# Altium PCB eRTM15_Baikal.PcbDoc (part 5 of 7)
Units mm, origin at the board's own origin, x right, y up, seen from the top; angles counter-clockwise.
Board outline 161.5 x 148.5 mm, 8 copper layers (Top Layer, RF_Layer_1, GND_PWR_Plane, RF_Layer_3, RF_Layer_4, GND_PWR_Plane_2, RF_Layer_6, Bottom Layer), stack 1.462 mm thick; 749 components, 528 nets, 2540 pads, 2420 vias.
Unrouted connection lines stored in the file: 24.
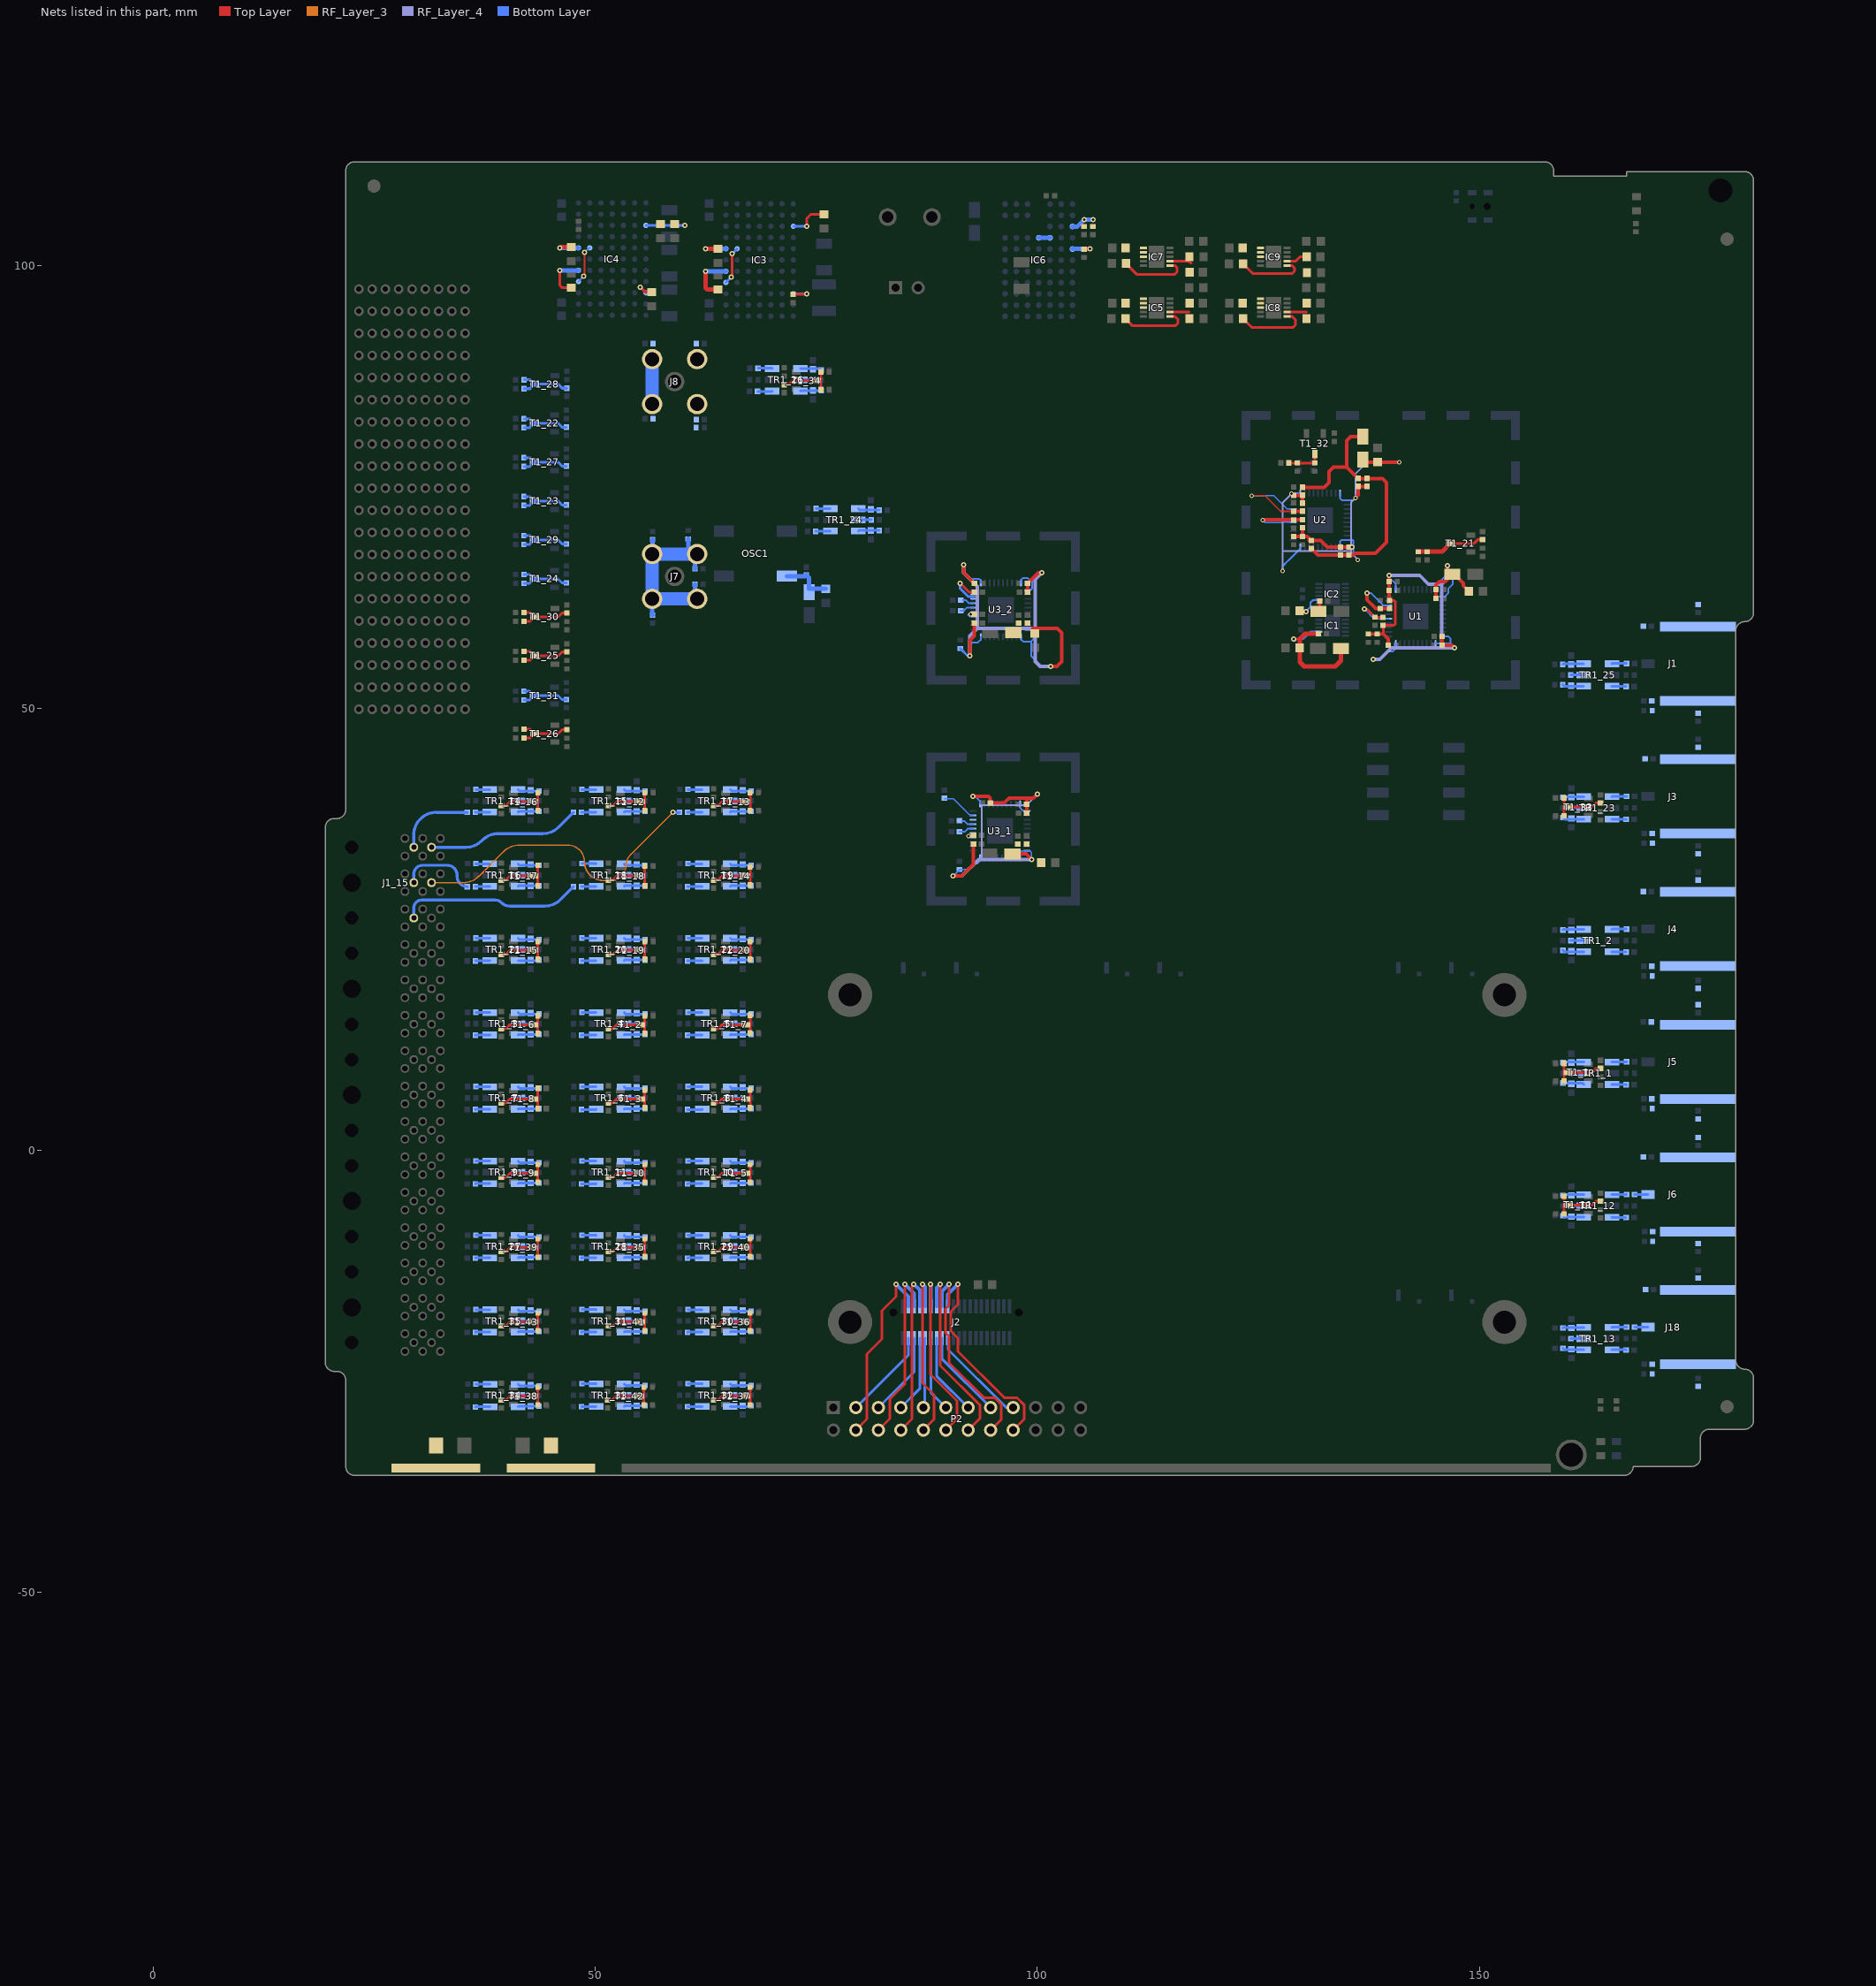
[diagram p11: the nets of this part, all layers, seen from the top]

## Via types
v1: diameter 0.6, hole 0.3, Top Layer to Bottom Layer, 2289 vias
v2: diameter 0.6, hole 0.3, Top Layer to Bottom Layer, tented both sides, 49 vias
v3: diameter 0.5, hole 0.2, Top Layer to Bottom Layer, 36 vias
v4: diameter 0.5, hole 0.3, Top Layer to Bottom Layer, 34 vias
v5: diameter 0.5, hole 0.3, Top Layer to Bottom Layer, tented both sides, 12 vias

## Nets (pads, with @x,y where several pads share a name; then routed paths per layer and width w, separated by ;. In a path a pad name is that pad's centre, name@x,y a point inside that pad or via, vN(x,y) a via of type N, cw(c..) or ccw(c..) an arc to the next point about the centre after c; other vN are vias at no path point) (continued)
LO8: C17_18.2 J1_15.A/1C | length 20.7
  Bottom Layer w0.33: J1_15.A/1C@29.5,26.25 29.5,27.385 cw(c30.4,27.385) 30.4,28.285 38.712,28.285 cw(c38.712,27.312) 39.4,28 ccw(c40.366,28.966) 40.366,27.6 44.303,27.6 ccw(c44.303,30.14) 46.099,28.344 C17_18.2@47.555,29.8
LO9: C17_17.2 J1_15.B/1B | length 35.7
  RF_Layer_3 w0.17: J1_15.B/1B@31.5,30.25 35.098,30.25 ccw(c35.098,32.79) 36.894,30.994 39.656,33.756 cw(c41.452,31.96) 41.452,34.5 46.9,34.5 cw(c46.9,32.6) 48.8,32.6 ccw(c50.9,32.6) 50.9,30.5 51.9,30.5 ccw(c51.9,32.1) 53.5,32.1 cw(c55.431,32.1) 54.066,33.466 v2(58.8,38.2)
  Bottom Layer w0.33: v2(58.8,38.2) C17_17.2@59.555,38.2
LO10: C17_16.2 J1_15.A/1B | length 9
  Bottom Layer w0.33: J1_15.A/1B@29.5,30.25 29.5,31.215 cw(c30.5,31.215) 30.5,32.215 33.285,32.215 cw(c33.285,31.1) 34.4,31.1 34.4,30.955 ccw(c35.555,30.955) C17_16.2@35.555,29.8
LO11: C17_15.2 J1_15.B/1A | length 17.4
  Bottom Layer w0.33: J1_15.B/1A@31.5,34.25 35.398,34.25 ccw(c35.398,36.79) 37.194,34.994 37.256,35.056 cw(c39.052,33.26) 39.052,35.8 44.103,35.8 ccw(c44.103,38.34) 45.899,36.544 C17_15.2@47.555,38.2
LO12: C17_14.2 J1_15.A/1A | length 8.9
  Bottom Layer w0.33: J1_15.A/1A@29.5,34.25 29.5,35.66 cw(c32.04,35.66) 32.04,38.2 C17_14.2@35.555,38.2
LO_IN: C17_13.2 J18.1 | length 1.5
  Bottom Layer w0.3: C17_13.2@167.55,-20 J18.1@169.05,-20
LO_OUT: C17_12.2 J6.1 | length 1.5
  Bottom Layer w0.3: C17_12.2@167.545,-5 J6.1@169.05,-5
MEZZ_IO0: J2.4 P2.4 | length 21.5
  Top Layer w0.3: P2.4@79.5,-31.64 80.74,-30.4 80.74,-23.04 82.44,-21.34 82.44,-18.14 84.04,-16.54 v1(84.04,-15.14)
  Bottom Layer w0.4: v1(84.04,-15.14) 85.442,-16.542 J2.4@85.442,-17.64
MEZZ_IO1: J2.3 P2.3 | length 10.3
  Bottom Layer w0.3: P2.3@79.5,-29.1 85.442,-23.158 J2.3@85.442,-21.24
MEZZ_IO2: J2.6 P2.6 | length 20.7
  Top Layer w0.3: P2.6@82.04,-31.64 83.34,-30.34 83.34,-28.14 85.04,-26.44 v1(85.04,-15.14)
  Bottom Layer w0.4: v1(85.04,-15.14) 86.077,-16.177 J2.6@86.077,-17.64
MEZZ_IO3: J2.5 P2.5 | length 9.5
  Bottom Layer w0.3: P2.5@82.04,-29.1 86.077,-25.063 J2.5@86.077,-21.24
MEZZ_IO4: J2.8 P2.8 | length 19.9
  Top Layer w0.3: P2.8@84.58,-31.64 85.84,-30.38 85.84,-15.34 v1(86.04,-15.14)
  Bottom Layer w0.4: v1(86.04,-15.14) 86.712,-15.812 J2.8@86.712,-17.64
MEZZ_IO5: J2.7 P2.7 | length 8.7
  Bottom Layer w0.3: P2.7@84.58,-29.1 86.712,-26.968 J2.7@86.712,-21.24
MEZZ_IO6: J2.10 P2.10 | length 20.2
  Top Layer w0.3: v1(87.04,-15.14) 87.04,-26.34 88.34,-27.64 88.34,-30.42 P2.10@87.12,-31.64
  Bottom Layer w0.4: v1(87.04,-15.14) 87.347,-15.447 J2.10@87.347,-17.64
MEZZ_IO7: J2.9 P2.9 | length 8
  Bottom Layer w0.3: P2.9@87.12,-29.1 87.297,-28.923 87.297,-21.29 J2.9@87.347,-21.24
MEZZ_IO8: J2.12 P2.12 | length 20.7
  Top Layer w0.3: v1(87.94,-15.14) 87.94,-25.34 90.94,-28.34 90.94,-30.36 P2.12@89.66,-31.64
  Bottom Layer w0.4: J2.12@87.982,-17.64 v1@87.982,-15.198
MEZZ_IO9: J2.11 P2.11 | length 8.6
  Bottom Layer w0.3: J2.11@87.982,-21.24 87.982,-27.422 P2.11@89.66,-29.1
MEZZ_IO10: J2.14 P2.14 | length 21.6
  Top Layer w0.3: v1(89.04,-15.14) 89.04,-24.34 93.54,-28.84 93.54,-30.3 P2.14@92.2,-31.64
  Bottom Layer w0.4: J2.14@88.617,-17.64 88.617,-15.563 v1(89.04,-15.14)
MEZZ_IO11: J2.13 P2.13 | length 9.3
  Bottom Layer w0.3: J2.13@88.617,-21.24 88.617,-25.517 P2.13@92.2,-29.1
MEZZ_IO12: J2.16 P2.16 | length 23.3
  Top Layer w0.3: v1(90.04,-15.14) 90.04,-17.54 89.64,-17.94 89.64,-20.64 90.04,-21.04 90.04,-24.04 94,-28 95.196,-28 95.94,-28.744 95.94,-30.44 P2.16@94.74,-31.64
  Bottom Layer w0.4: J2.16@89.252,-17.64 89.252,-15.928 v1(90.04,-15.14)
MEZZ_IO13: J2.15 P2.15 | length 10.1
  Bottom Layer w0.3: J2.15@89.252,-21.24 89.252,-23.612 P2.15@94.74,-29.1
MEZZ_IO14: J2.18 P2.18 | length 24.6
  Top Layer w0.3: v1(91.04,-15.14) 91.04,-17.44 90.24,-18.24 90.24,-20.44 91.04,-21.24 91.04,-22.74 96.3,-28 97.736,-28 98.54,-28.804 98.54,-30.38 P2.18@97.28,-31.64
  Bottom Layer w0.4: J2.18@89.887,-17.64 89.887,-16.293 v1(91.04,-15.14)
MEZZ_IO15: J2.17 P2.17 | length 11.4
  Bottom Layer w0.3: J2.17@89.887,-21.24 89.937,-21.29 89.937,-22.537 96.5,-29.1 P2.17@97.28,-29.1
NetC1_2: C1.2 C77.2 C79.1 C81.2 J1.2 R41.2
NetC2_2: C2.2 C78.2 C80.1 C82.2 J3.2 R42.2
NetC3_2: C3.2 C83.2 C85.1 C87.2 J4.2 R43.2
NetC4_2: C4.2 C84.2 C86.1 C88.2 J5.2 R44.2
NetC5_2: C5.2 C90.2 C92.1 C94.2 J6.2 R46.2
NetC6_2: C6.2 C89.2 C91.1 C93.2 J18.2 R45.2
NetC7_1_2: C7_1.2 C8_1.2 TR1_1.6 | length 2.4
  Bottom Layer w0.3: C7_1.2@159.45,7.6 161.64,7.6 TR1_1.6@161.81,7.43
NetC7_2_2: C7_2.2 C8_2.2 TR1_2.6 | length 2.4
  Bottom Layer w0.3: C7_2.2@159.445,22.6 159.615,22.43 TR1_2.6@161.805,22.43
NetC7_3_2: C7_3.2 C8_3.2 TR1_3.6 | length 2.4
  Bottom Layer w0.3: TR1_3.6@41.295,15.57 41.465,15.4 C7_3.2@43.655,15.4
NetC7_4_2: C7_4.2 C8_4.2 TR1_4.6 | length 2.4
  Bottom Layer w0.3: TR1_4.6@53.295,15.57 53.465,15.4 C7_4.2@55.655,15.4
NetC7_5_2: C7_5.2 C8_5.2 TR1_5.6 | length 2.4
  Bottom Layer w0.3: TR1_5.6@65.295,15.57 65.465,15.4 C7_5.2@67.655,15.4
NetC7_6_2: C7_6.2 C8_6.2 TR1_6.6 | length 2.4
  Bottom Layer w0.3: TR1_6.6@53.295,7.17 53.465,7 C7_6.2@55.655,7
NetC7_7_2: C7_7.2 C8_7.2 TR1_7.6 | length 2.4
  Bottom Layer w0.3: TR1_7.6@41.295,7.17 41.465,7 C7_7.2@43.655,7
NetC7_8_2: C7_8.2 C8_8.2 TR1_8.6 | length 2.4
  Bottom Layer w0.3: TR1_8.6@65.295,7.17 65.465,7 C7_8.2@67.655,7
NetC7_9_2: C7_9.2 C8_9.2 TR1_9.6 | length 2.4
  Bottom Layer w0.3: TR1_9.6@41.295,-1.23 41.465,-1.4 C7_9.2@43.655,-1.4
NetC7_10_2: C7_10.2 C8_10.2 TR1_10.6 | length 2.4
  Bottom Layer w0.3: TR1_10.6@65.295,-1.23 65.465,-1.4 C7_10.2@67.655,-1.4
NetC7_11_2: C7_11.2 C8_11.2 TR1_11.6 | length 2.4
  Bottom Layer w0.3: TR1_11.6@53.295,-1.23 53.465,-1.4 C7_11.2@55.655,-1.4
NetC7_12_2: C7_12.2 C8_12.2 TR1_12.6 | length 2.4
  Bottom Layer w0.3: C7_12.2@159.445,-7.4 159.615,-7.57 TR1_12.6@161.805,-7.57
NetC7_13_2: C7_13.2 C8_13.2 TR1_13.6 | length 2.4
  Bottom Layer w0.3: C7_13.2@159.45,-22.4 159.62,-22.57 TR1_13.6@161.81,-22.57
NetC7_14_2: C7_14.2 C8_14.2 TR1_14.6 | length 2.4
  Bottom Layer w0.3: TR1_14.6@41.295,40.77 41.465,40.6 C7_14.2@43.655,40.6
NetC7_15_2: C7_15.2 C8_15.2 TR1_15.6 | length 2.4
  Bottom Layer w0.3: TR1_15.6@53.295,40.77 53.465,40.6 C7_15.2@55.655,40.6
NetC7_16_2: C7_16.2 C8_16.2 TR1_16.6 | length 2.4
  Bottom Layer w0.3: TR1_16.6@41.295,32.37 41.465,32.2 C7_16.2@43.655,32.2
NetC7_17_2: C7_17.2 C8_17.2 TR1_17.6 | length 2.4
  Bottom Layer w0.3: TR1_17.6@65.295,40.77 65.465,40.6 C7_17.2@67.655,40.6
NetC7_18_2: C7_18.2 C8_18.2 TR1_18.6 | length 2.4
  Bottom Layer w0.3: TR1_18.6@53.295,32.37 53.465,32.2 C7_18.2@55.6,32.2 C7_18.2@55.655,32.2
NetC7_19_2: C7_19.2 C8_19.2 TR1_19.6 | length 2.4
  Bottom Layer w0.3: TR1_19.6@65.295,32.37 65.465,32.2 C7_19.2@67.655,32.2
NetC7_20_2: C7_20.2 C8_20.2 TR1_20.6 | length 2.4
  Bottom Layer w0.3: TR1_20.6@53.295,23.97 53.465,23.8 C7_20.2@55.655,23.8
NetC7_21_2: C7_21.2 C8_21.2 TR1_21.6 | length 2.4
  Bottom Layer w0.3: TR1_21.6@41.295,23.97 41.465,23.8 C7_21.2@43.655,23.8
NetC7_22_2: C7_22.2 C8_22.2 TR1_22.6 | length 2.4
  Bottom Layer w0.3: TR1_22.6@65.295,23.97 65.465,23.8 C7_22.2@67.655,23.8
NetC7_23_2: C7_23.2 C8_23.2 TR1_23.6 | length 2.4
  Bottom Layer w0.3: C7_23.2@159.45,37.6 159.62,37.43 TR1_23.6@161.81,37.43
NetC7_24_2: C7_24.2 C8_24.2 TR1_24.6 | length 2.4
  Bottom Layer w0.3: TR1_24.6@79.78,72.54 79.95,72.37 C7_24.2@82.14,72.37
NetC7_25_2: C7_25.2 C8_25.2 TR1_25.6 | length 2.4
  Bottom Layer w0.3: C7_25.2@159.44,52.63 159.61,52.46 TR1_25.6@161.8,52.46
NetC7_26_2: C7_26.2 C8_26.2 TR1_26.6 | length 2.4
  Bottom Layer w0.3: TR1_26.6@73.22,88.37 75.41,88.37 C7_26.2@75.58,88.2
NetC7_27_2: C7_27.2 C8_27.2 TR1_27.6 | length 2.4
  Bottom Layer w0.3: TR1_27.6@41.295,-9.63 41.465,-9.8 C7_27.2@43.655,-9.8
NetC7_28_2: C7_28.2 C8_28.2 TR1_28.6 | length 2.4
  Bottom Layer w0.3: TR1_28.6@53.295,-9.63 53.465,-9.8 C7_28.2@55.655,-9.8
NetC7_29_2: C7_29.2 C8_29.2 TR1_29.6 | length 2.4
  Bottom Layer w0.3: TR1_29.6@65.295,-9.63 65.465,-9.8 C7_29.2@67.655,-9.8
NetC7_30_2: C7_30.2 C8_30.2 TR1_30.6 | length 2.4
  Bottom Layer w0.3: TR1_30.6@65.295,-18.03 65.465,-18.2 C7_30.2@67.655,-18.2
NetC7_31_2: C7_31.2 C8_31.2 TR1_31.6 | length 2.4
  Bottom Layer w0.3: TR1_31.6@53.295,-18.03 53.465,-18.2 C7_31.2@55.655,-18.2
NetC7_32_2: C7_32.2 C8_32.2 TR1_32.6 | length 2.4
  Bottom Layer w0.3: TR1_32.6@65.295,-26.43 65.465,-26.6 C7_32.2@67.655,-26.6
NetC7_33_2: C7_33.2 C8_33.2 TR1_33.6 | length 2.4
  Bottom Layer w0.3: TR1_33.6@53.295,-26.43 53.465,-26.6 C7_33.2@55.655,-26.6
NetC7_34_2: C7_34.2 C8_34.2 TR1_34.6 | length 2.4
  Bottom Layer w0.3: TR1_34.6@41.3,-26.46 41.47,-26.63 C7_34.2@43.66,-26.63
NetC7_35_2: C7_35.2 C8_35.2 TR1_35.6 | length 2.4
  Bottom Layer w0.3: TR1_35.6@41.295,-18.03 41.465,-18.2 C7_35.2@43.655,-18.2
NetC9_1_2: C9_1.2 TR1_1.5 | length 1.5
  Bottom Layer w0.3: C9_1.2@160.35,8.7 TR1_1.5@161.81,8.7
NetC9_2_2: C9_2.2 TR1_2.5 | length 1.5
  Bottom Layer w0.3: C9_2.2@160.345,23.7 TR1_2.5@161.805,23.7
NetC9_3_2: C9_3.2 TR1_3.5 | length 1.5
  Bottom Layer w0.3: TR1_3.5@41.295,14.3 C9_3.2@42.755,14.3
NetC9_4_2: C9_4.2 TR1_4.5 | length 1.5
  Bottom Layer w0.3: TR1_4.5@53.295,14.3 C9_4.2@54.755,14.3
NetC9_5_2: C9_5.2 TR1_5.5 | length 1.5
  Bottom Layer w0.3: TR1_5.5@65.295,14.3 C9_5.2@66.755,14.3
NetC9_6_2: C9_6.2 TR1_6.5 | length 1.5
  Bottom Layer w0.3: TR1_6.5@53.295,5.9 C9_6.2@54.755,5.9
NetC9_7_2: C9_7.2 TR1_7.5 | length 1.5
  Bottom Layer w0.3: TR1_7.5@41.295,5.9 C9_7.2@42.755,5.9
NetC9_8_2: C9_8.2 TR1_8.5 | length 1.5
  Bottom Layer w0.3: TR1_8.5@65.295,5.9 C9_8.2@66.755,5.9
NetC9_9_2: C9_9.2 TR1_9.5 | length 1.5
  Bottom Layer w0.3: TR1_9.5@41.295,-2.5 C9_9.2@42.755,-2.5
NetC9_10_2: C9_10.2 TR1_10.5 | length 1.5
  Bottom Layer w0.3: TR1_10.5@65.295,-2.5 C9_10.2@66.755,-2.5
NetC9_11_2: C9_11.2 TR1_11.5 | length 1.5
  Bottom Layer w0.3: TR1_11.5@53.295,-2.5 C9_11.2@54.755,-2.5
NetC9_12_2: C9_12.2 TR1_12.5 | length 1.5
  Bottom Layer w0.3: C9_12.2@160.345,-6.3 TR1_12.5@161.805,-6.3
NetC9_13_2: C9_13.2 TR1_13.5 | length 1.5
  Bottom Layer w0.3: C9_13.2@160.35,-21.3 TR1_13.5@161.81,-21.3
NetC9_14_2: C9_14.2 TR1_14.5 | length 1.5
  Bottom Layer w0.3: TR1_14.5@41.295,39.5 C9_14.2@42.755,39.5
NetC9_15_2: C9_15.2 TR1_15.5 | length 1.5
  Bottom Layer w0.3: TR1_15.5@53.295,39.5 C9_15.2@54.755,39.5
NetC9_16_2: C9_16.2 TR1_16.5 | length 1.5
  Bottom Layer w0.3: TR1_16.5@41.295,31.1 C9_16.2@42.755,31.1
NetC9_17_2: C9_17.2 TR1_17.5 | length 1.5
  Bottom Layer w0.3: TR1_17.5@65.295,39.5 C9_17.2@66.755,39.5
NetC9_18_2: C9_18.2 TR1_18.5 | length 1.5
  Bottom Layer w0.3: TR1_18.5@53.295,31.1 C9_18.2@54.755,31.1
NetC9_19_2: C9_19.2 TR1_19.5 | length 1.5
  Bottom Layer w0.3: TR1_19.5@65.295,31.1 C9_19.2@66.755,31.1
NetC9_20_2: C9_20.2 TR1_20.5 | length 1.5
  Bottom Layer w0.3: TR1_20.5@53.295,22.7 C9_20.2@54.755,22.7
NetC9_21_2: C9_21.2 TR1_21.5 | length 1.5
  Bottom Layer w0.3: TR1_21.5@41.295,22.7 C9_21.2@42.755,22.7
NetC9_22_2: C9_22.2 TR1_22.5 | length 1.5
  Bottom Layer w0.3: TR1_22.5@65.295,22.7 C9_22.2@66.755,22.7
NetC9_23_2: C9_23.2 TR1_23.5 | length 1.5
  Bottom Layer w0.3: C9_23.2@160.35,38.7 TR1_23.5@161.81,38.7
NetC9_24_2: C9_24.2 TR1_24.5 | length 1.5
  Bottom Layer w0.3: TR1_24.5@79.78,71.27 C9_24.2@81.24,71.27
NetC9_25_2: C9_25.2 TR1_25.5 | length 1.5
  Bottom Layer w0.3: C9_25.2@160.34,53.73 TR1_25.5@161.8,53.73
NetC9_26_2: C9_26.2 TR1_26.5 | length 1.5
  Bottom Layer w0.3: TR1_26.5@73.22,87.1 C9_26.2@74.68,87.1
NetC9_27_2: C9_27.2 TR1_27.5 | length 1.5
  Bottom Layer w0.3: TR1_27.5@41.295,-10.9 C9_27.2@42.755,-10.9
NetC9_28_2: C9_28.2 TR1_28.5 | length 1.5
  Bottom Layer w0.3: TR1_28.5@53.295,-10.9 C9_28.2@54.755,-10.9
NetC9_29_2: C9_29.2 TR1_29.5 | length 1.5
  Bottom Layer w0.3: TR1_29.5@65.295,-10.9 C9_29.2@66.755,-10.9
NetC9_30_2: C9_30.2 TR1_30.5 | length 1.5
  Bottom Layer w0.3: TR1_30.5@65.295,-19.3 C9_30.2@66.755,-19.3
NetC9_31_2: C9_31.2 TR1_31.5 | length 1.5
  Bottom Layer w0.3: TR1_31.5@53.295,-19.3 C9_31.2@54.755,-19.3
NetC9_32_2: C9_32.2 TR1_32.5 | length 1.5
  Bottom Layer w0.3: TR1_32.5@65.295,-27.7 C9_32.2@66.755,-27.7
NetC9_33_2: C9_33.2 TR1_33.5 | length 1.5
  Bottom Layer w0.3: TR1_33.5@53.295,-27.7 C9_33.2@54.755,-27.7
NetC9_34_2: C9_34.2 TR1_34.5 | length 1.5
  Bottom Layer w0.3: TR1_34.5@41.3,-27.73 C9_34.2@42.76,-27.73
NetC9_35_2: C9_35.2 TR1_35.5 | length 1.5
  Bottom Layer w0.3: TR1_35.5@41.295,-19.3 C9_35.2@42.755,-19.3
NetC10_1_1: C10_1.1 TR1_1.1 | length 1.6
  Bottom Layer w0.3: TR1_1.1@164.99,7.43 166.57,7.43 C10_1.1@166.6,7.4
NetC10_2_1: C10_2.1 TR1_2.1 | length 1.6
  Bottom Layer w0.3: TR1_2.1@164.985,22.43 166.565,22.43 C10_2.1@166.595,22.4
NetC10_3_1: C10_3.1 TR1_3.1 | length 1.6
  Bottom Layer w0.3: C10_3.1@36.505,15.6 36.535,15.57 TR1_3.1@38.115,15.57
NetC10_4_1: C10_4.1 TR1_4.1 | length 1.6
  Bottom Layer w0.3: C10_4.1@48.505,15.6 48.535,15.57 TR1_4.1@50.115,15.57
NetC10_5_1: C10_5.1 TR1_5.1 | length 1.6
  Bottom Layer w0.3: C10_5.1@60.505,15.6 60.535,15.57 TR1_5.1@62.115,15.57
NetC10_6_1: C10_6.1 TR1_6.1 | length 1.6
  Bottom Layer w0.3: C10_6.1@48.505,7.2 48.535,7.17 TR1_6.1@50.115,7.17
NetC10_7_1: C10_7.1 TR1_7.1 | length 1.6
  Bottom Layer w0.3: C10_7.1@36.505,7.2 36.535,7.17 TR1_7.1@38.115,7.17
NetC10_8_1: C10_8.1 TR1_8.1 | length 1.6
  Bottom Layer w0.3: C10_8.1@60.505,7.2 60.535,7.17 TR1_8.1@62.115,7.17
NetC10_9_1: C10_9.1 TR1_9.1 | length 1.6
  Bottom Layer w0.3: C10_9.1@36.505,-1.2 36.535,-1.23 TR1_9.1@38.115,-1.23
NetC10_10_1: C10_10.1 TR1_10.1 | length 1.6
  Bottom Layer w0.3: C10_10.1@60.505,-1.2 60.535,-1.23 TR1_10.1@62.115,-1.23
NetC10_11_1: C10_11.1 TR1_11.1 | length 1.6
  Bottom Layer w0.3: C10_11.1@48.505,-1.2 48.535,-1.23 TR1_11.1@50.115,-1.23
NetC10_12_1: C10_12.1 TR1_12.1 | length 1.6
  Bottom Layer w0.3: TR1_12.1@164.985,-7.57 165.015,-7.6 C10_12.1@166.595,-7.6
NetC10_13_1: C10_13.1 TR1_13.1 | length 1.6
  Bottom Layer w0.3: TR1_13.1@164.99,-22.57 166.57,-22.57 C10_13.1@166.6,-22.6
NetC10_14_1: C10_14.1 TR1_14.1 | length 1.6
  Bottom Layer w0.3: C10_14.1@36.505,40.8 36.535,40.77 TR1_14.1@38.115,40.77
NetC10_15_1: C10_15.1 TR1_15.1 | length 1.6
  Bottom Layer w0.3: C10_15.1@48.505,40.8 48.535,40.77 TR1_15.1@50.115,40.77
NetC10_16_1: C10_16.1 TR1_16.1 | length 1.6
  Bottom Layer w0.3: C10_16.1@36.505,32.4 36.535,32.37 TR1_16.1@38.115,32.37
NetC10_17_1: C10_17.1 TR1_17.1 | length 1.6
  Bottom Layer w0.3: C10_17.1@60.505,40.8 60.535,40.77 TR1_17.1@62.115,40.77
NetC10_18_1: C10_18.1 TR1_18.1 | length 1.6
  Bottom Layer w0.3: C10_18.1@48.505,32.4 50.085,32.4 TR1_18.1@50.115,32.37
NetC10_19_1: C10_19.1 TR1_19.1 | length 1.6
  Bottom Layer w0.3: C10_19.1@60.505,32.4 60.535,32.37 TR1_19.1@62.115,32.37
NetC10_20_1: C10_20.1 TR1_20.1 | length 1.6
  Bottom Layer w0.3: C10_20.1@48.505,24 48.535,23.97 TR1_20.1@50.115,23.97
NetC10_21_1: C10_21.1 TR1_21.1 | length 1.6
  Bottom Layer w0.3: C10_21.1@36.505,24 36.535,23.97 TR1_21.1@38.115,23.97
NetC10_22_1: C10_22.1 TR1_22.1 | length 1.6
  Bottom Layer w0.3: C10_22.1@60.505,24 60.535,23.97 TR1_22.1@62.115,23.97
NetC10_23_1: C10_23.1 TR1_23.1 | length 1.6
  Bottom Layer w0.3: TR1_23.1@164.99,37.43 165.02,37.4 C10_23.1@166.6,37.4
NetC10_24_1: C10_24.1 TR1_24.1 | length 1.6
  Bottom Layer w0.3: C10_24.1@74.99,72.57 75.02,72.54 TR1_24.1@76.6,72.54
NetC10_25_1: C10_25.1 TR1_25.1 | length 1.6
  Bottom Layer w0.3: TR1_25.1@164.98,52.46 165.01,52.43 C10_25.1@166.59,52.43
NetC10_26_1: C10_26.1 TR1_26.1 | length 1.6
  Bottom Layer w0.3: C10_26.1@68.43,88.4 70.01,88.4 TR1_26.1@70.04,88.37
NetC10_27_1: C10_27.1 TR1_27.1 | length 1.6
  Bottom Layer w0.3: C10_27.1@36.505,-9.6 38.085,-9.6 TR1_27.1@38.115,-9.63
NetC10_28_1: C10_28.1 TR1_28.1 | length 1.6
  Bottom Layer w0.3: C10_28.1@48.505,-9.6 50.085,-9.6 TR1_28.1@50.115,-9.63
NetC10_29_1: C10_29.1 TR1_29.1 | length 1.6
  Bottom Layer w0.3: C10_29.1@60.505,-9.6 60.535,-9.63 TR1_29.1@62.115,-9.63
NetC10_30_1: C10_30.1 TR1_30.1 | length 1.6
  Bottom Layer w0.3: C10_30.1@60.505,-18 60.535,-18.03 TR1_30.1@62.115,-18.03
NetC10_31_1: C10_31.1 TR1_31.1 | length 1.6
  Bottom Layer w0.3: C10_31.1@48.505,-18 50.085,-18 TR1_31.1@50.115,-18.03
NetC10_32_1: C10_32.1 TR1_32.1 | length 1.6
  Bottom Layer w0.3: C10_32.1@60.505,-26.4 62.085,-26.4 TR1_32.1@62.115,-26.43
NetC10_33_1: C10_33.1 TR1_33.1 | length 1.6
  Bottom Layer w0.3: C10_33.1@48.505,-26.4 50.085,-26.4 TR1_33.1@50.115,-26.43
NetC10_34_1: C10_34.1 TR1_34.1 | length 1.6
  Bottom Layer w0.3: C10_34.1@36.51,-26.43 36.54,-26.46 TR1_34.1@38.12,-26.46
NetC10_35_1: C10_35.1 TR1_35.1 | length 1.6
  Bottom Layer w0.3: C10_35.1@36.505,-18 36.535,-18.03 TR1_35.1@38.115,-18.03
NetC11_1_2: C11_1.2 U3_1.6 | length 1.6
  Bottom Layer w0.2: C11_1.2@91.25,36 91.792,36 92.142,36.35 U3_1.6@92.75,36.35
NetC11_2_2: C11_2.2 U3_2.6 | length 1.6
  Bottom Layer w0.2: C11_2.2@91.35,61 91.722,61 92.072,61.35 U3_2.6@92.85,61.35
NetC12_1_2: C12_1.2 C13_1.1 TR1_1.4 | length 2.4
  Bottom Layer w0.3: C12_1.2@159.45,9.9 159.52,9.97 TR1_1.4@161.81,9.97
NetC12_2_2: C12_2.2 C13_2.1 TR1_2.4 | length 2.4
  Bottom Layer w0.3: C12_2.2@159.445,24.9 159.515,24.97 TR1_2.4@161.805,24.97
NetC12_3_2: C12_3.2 C13_3.1 TR1_3.4 | length 2.4
  Bottom Layer w0.3: TR1_3.4@41.295,13.03 41.365,13.1 C13_3.1@42.705,13.1 C12_3.2@43.655,13.1
NetC12_4_2: C12_4.2 C13_4.1 TR1_4.4 | length 2.4
  Bottom Layer w0.3: TR1_4.4@53.295,13.03 53.365,13.1 C13_4.1@54.705,13.1 C12_4.2@55.655,13.1
NetC12_5_2: C12_5.2 C13_5.1 TR1_5.4 | length 2.4
  Bottom Layer w0.3: TR1_5.4@65.295,13.03 65.365,13.1 C13_5.1@66.705,13.1 C12_5.2@67.655,13.1
NetC12_6_2: C12_6.2 C13_6.1 TR1_6.4 | length 2.4
  Bottom Layer w0.3: TR1_6.4@53.295,4.63 53.365,4.7 C13_6.1@54.705,4.7 C12_6.2@55.655,4.7
NetC12_7_2: C12_7.2 C13_7.1 TR1_7.4 | length 2.4
  Bottom Layer w0.3: TR1_7.4@41.295,4.63 41.365,4.7 C13_7.1@42.705,4.7 C12_7.2@43.655,4.7
NetC12_8_2: C12_8.2 C13_8.1 TR1_8.4 | length 2.4
  Bottom Layer w0.3: TR1_8.4@65.295,4.63 65.365,4.7 C13_8.1@66.705,4.7 C12_8.2@67.655,4.7
NetC12_9_2: C12_9.2 C13_9.1 TR1_9.4 | length 2.4
  Bottom Layer w0.3: TR1_9.4@41.295,-3.77 41.365,-3.7 C13_9.1@42.705,-3.7 C12_9.2@43.655,-3.7
NetC12_10_2: C12_10.2 C13_10.1 TR1_10.4 | length 2.4
  Bottom Layer w0.3: TR1_10.4@65.295,-3.77 65.365,-3.7 C13_10.1@66.705,-3.7 C12_10.2@67.655,-3.7
NetC12_11_2: C12_11.2 C13_11.1 TR1_11.4 | length 2.4
  Bottom Layer w0.3: TR1_11.4@53.295,-3.77 53.365,-3.7 C13_11.1@54.705,-3.7 C12_11.2@55.655,-3.7
NetC12_12_2: C12_12.2 C13_12.1 TR1_12.4 | length 2.4
  Bottom Layer w0.3: C12_12.2@159.445,-5.1 159.515,-5.03 TR1_12.4@161.805,-5.03
NetC12_13_2: C12_13.2 C13_13.1 TR1_13.4 | length 2.4
  Bottom Layer w0.3: C12_13.2@159.45,-20.1 159.52,-20.03 TR1_13.4@161.81,-20.03
NetC12_14_2: C12_14.2 C13_14.1 TR1_14.4 | length 2.4
  Bottom Layer w0.3: TR1_14.4@41.295,38.23 41.365,38.3 C13_14.1@42.705,38.3 C12_14.2@43.655,38.3
NetC12_15_2: C12_15.2 C13_15.1 TR1_15.4 | length 2.4
  Bottom Layer w0.3: TR1_15.4@53.295,38.23 53.365,38.3 C13_15.1@54.705,38.3 C12_15.2@55.655,38.3
NetC12_16_2: C12_16.2 C13_16.1 TR1_16.4 | length 2.4
  Bottom Layer w0.3: TR1_16.4@41.295,29.83 41.365,29.9 C13_16.1@42.705,29.9 C12_16.2@43.655,29.9